# Altium PCB bms_mainboard-1_1.PcbDoc (part 3 of 7) (continued)
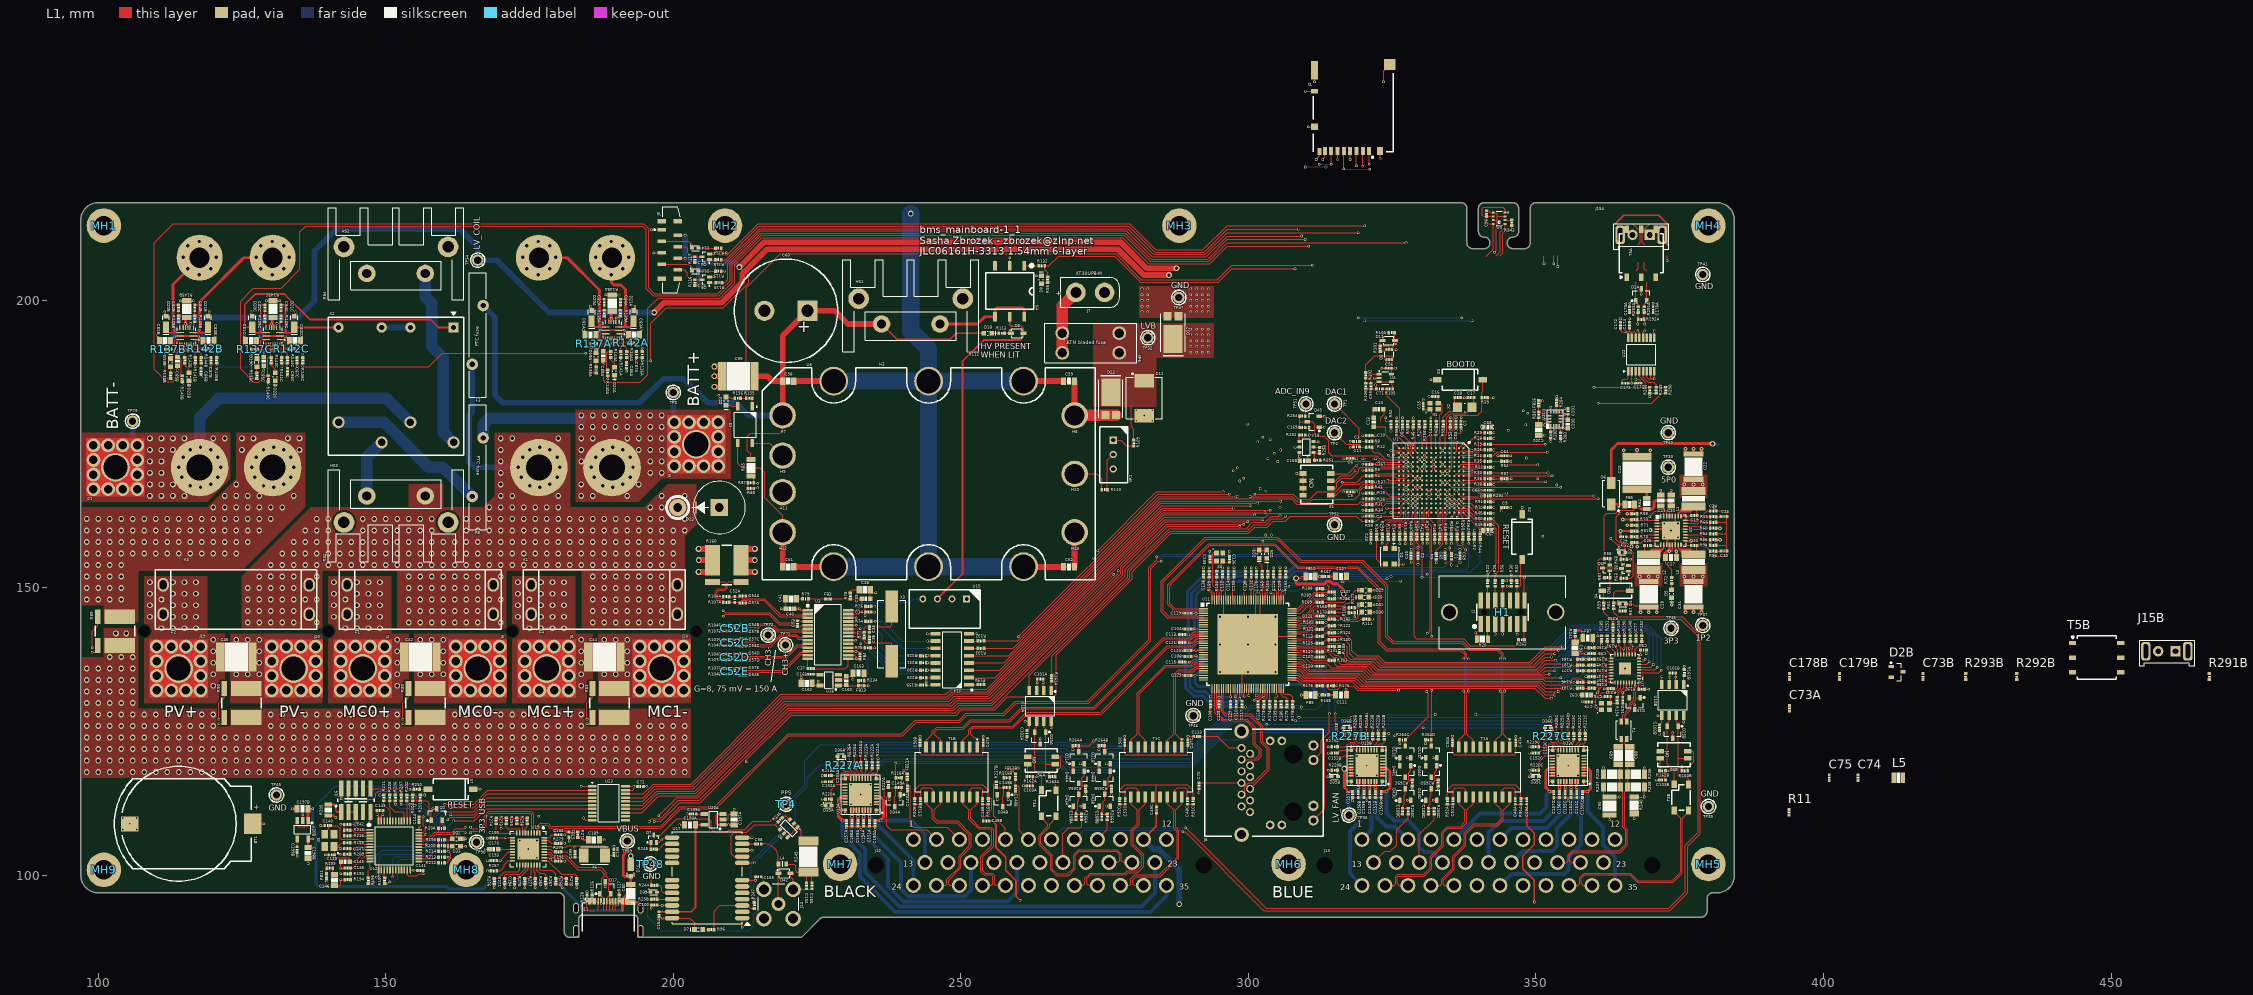
[diagram p0: L1 view]
## Part data (continued)
R112: library part RES_1K00_OHM_100W_1%_TO247, "RES 1K OHM TK FILM 5% 100W TO247", Manufacturer=Ohmite, Power (Watts)=100W, Resistance (Ohms)=1k, Supplier Part Number 1=TEH100M1K00JE-ND, ComponentLink1Description=Datasheet, ComponentLink1URL=http://www.ohmite.com/cat/res_teh100.pdf, Manufacturer Part Number=TEH100M1K00JE, Supplier 1=Digikey, Supplier 2=LCSC, Supplier Part Number 2=C2642397
R145A R145B R145C: Manufacturer="UNI-ROYAL(Uniroyal Elec)", Package=1206, Power Rating (mW)=500, Temperature Coefficient=Â±100ppm/â„ƒ, Tolerance=1%, ComponentLink1Description=Datasheet, ComponentLink1URL=https://wmsc.lcsc.com/wmsc/upload/file/pdf/v2/lcsc/2304140030_UNI-ROYAL-Uniroyal-Elec-HP06W2F130KT5E_C414957.pdf, Manufacturer Part Number=HP06W2F130KT5E, Supplier 2=LCSC, Supplier Part Number 2=C414957
R202: Manufacturer=YAGEO, Package=0402, Power Rating (mW)=62.5, Temperature Coefficient=Â±100ppm/â„ƒ, Tolerance=1%, ComponentLink1Description=Datasheet, ComponentLink1URL=https://wmsc.lcsc.com/wmsc/upload/file/pdf/v2/lcsc/2304140030_YAGEO-RC0402FR-07100RL_C106232.pdf, Manufacturer Part Number=RC0402FR-07100RL, Supplier 2=LCSC, Supplier Part Number 2=C106232
R235 R236 R240: Manufacturer="UNI-ROYAL(Uniroyal Elec)", Package=1206, Power Rating (mW)=250, Temperature Coefficient=Â±100ppm/â„ƒ, Tolerance=1%, ComponentLink1Description=Datasheet, Supplier 2=LCSC
  R235 R236: ComponentLink1URL=https://wmsc.lcsc.com/wmsc/upload/file/pdf/v2/lcsc/2206010145_UNI-ROYAL-Uniroyal-Elec-1206W4F1002T5E_C17902.pdf, Manufacturer Part Number=1206W4F1002T5E, Supplier Part Number 2=C17902
  R240: ComponentLink1URL=https://wmsc.lcsc.com/wmsc/upload/file/pdf/v2/lcsc/2206010145_UNI-ROYAL-Uniroyal-Elec-1206W4F1003T5E_C17900.pdf, Manufacturer Part Number=1206W4F1003T5E, Supplier Part Number 2=C17900
R237 R238: Manufacturer=FOJAN, Package=1206, Power Rating (mW)=250, Temperature Coefficient=Â±100ppm/â„ƒ, Tolerance=1%, ComponentLink1Description=Datasheet, ComponentLink1URL=https://datasheet.lcsc.com/lcsc/2308241947_FOJAN-FRC1206F49R9TS_C2907389.pdf, Manufacturer Part Number=FRC1206F49R9TS, Supplier 2=LCSC, Supplier Part Number 2=C2907389
R245: Manufacturer=RALEC, Package=2512, Power Rating (mW)=1000, Temperature Coefficient=Â±100ppm/â„ƒ, Tolerance=1%, ComponentLink1Description=Datasheet, ComponentLink1URL=https://wmsc.lcsc.com/wmsc/upload/file/pdf/v2/lcsc/2304140030_RALEC-RTT2510R0FTE_C105071.pdf, Manufacturer Part Number=RTT2510R0FTE, Supplier 2=LCSC, Supplier Part Number 2=C105071
S1: library part SWITCH_CHS-04TA, "DIP Switch, Slide, SPST, Flush, Recessed, 6VDC, 100mA, CHS Series", Manufacturer="Nidec Copal", Supplier Part Number 1=563-1007-1-ND, ComponentLink1Description=Datasheet, ComponentLink1URL=https://www.nidec-components.com/e/catalog/switch/chs.pdf, Manufacturer Part Number=CHS-04TA, Supplier 1=Digikey, Supplier 2=LCSC, Supplier Part Number 2=C2921610
S2 S3 S7: library part SWITCH_TS-1092S-B3D2-G, "SWITCH TACTILE SPST-NO", Manufacturer=Yuandi, Supplier Part Number 1=C520860, ComponentLink1Description=Datasheet, ComponentLink1URL=https://www.lcsc.com/datasheet/lcsc_datasheet_2005071437_Yuandi-TS-1092S-B3D2-G_C520860.pdf, Manufacturer Part Number=TS-1092S-B3D2-G, Supplier 1=LCSC
S4: library part SWITCH_CHS-01TA, "DIP Switch, Slide, SPST, Flush, Recessed, 6VDC, 100mA, CHS Series", Manufacturer="Nidec Copal", Supplier Part Number 1=563-1003-1-ND, ComponentLink1Description=Datasheet, ComponentLink1URL=https://www.nidec-components.com/e/catalog/switch/chs.pdf, Manufacturer Part Number=CHS-01TA, Supplier 1=Digikey, Supplier 2=LCSC, Supplier Part Number 2=C2921603
S6A S6B: library part SWITCH_CHS-02TA, "DIP Switch, Slide, SPST, Flush, Recessed, 6VDC, 100mA, CHS Series", Manufacturer="Nidec Copal", Supplier Part Number 1=563-1005-1-ND, ComponentLink1Description=Datasheet, ComponentLink1URL=https://www.nidec-components.com/e/catalog/switch/chs.pdf, Manufacturer Part Number=CHS-02TA, Supplier 1=Digikey, Supplier 2=LCSC, Supplier Part Number 2=C2921606
T1A T1B T1C: library part ETH_H1102NL, "MODULE XFRMR SGL ETHR LAN 16SOIC", Manufacturer="Pulse Electronics Corporation", Supplier Part Number 1=553-1323-ND, ComponentLink1Description=Datasheet, ComponentLink1URL=https://productfinder.pulseelectronics.com/api/open/part-attachments/datasheet/H1102NL, Manufacturer Part Number=H1102NL, Supplier 1=Digikey, Supplier 2=LCSC, Supplier Part Number 2=C18584
T3A T3B: "CHOKE COMMON MODE 5000 OHM SMD", Manufacturer="TDK Corporation", Manufacturer Part Number=ACT45B-101-2P-TL003, Supplier Part Number 1=445-3959-1-ND, ComponentLink1Description=Datasheet, ComponentLink1URL=http://www.tdk.co.jp/tefe02/e9711_act.pdf, Size / Dimension="0.177\" L x 0.126\" W (4.50mm x 3.20mm)", Supplier 1=Digikey, Supplier 2=LCSC, Supplier Part Number 2=C88056
T4: library part CHOKE_ACT1210D-131-2P-TL00, "130 µH @ 100 kHz 2 Line Common Mode Choke Surface Mount 6.7 kOhms @ 10 MHz 115mA DCR 3.5Ohm", Manufacturer="TDK Corporation", Supplier Part Number 1=445-ACT1210D-131-2P-TL00CT-ND, ComponentLink1Description=Datasheet, ComponentLink1URL=https://product.tdk.com/system/files/dam/doc/product/emc/emc/cmf_cmc/catalog/cmf_automotive_signal_act1210d_en.pdf, Manufacturer Part Number=ACT1210D-131-2P-TL00, Supplier 1=Digikey, Supplier 2=LCSC, Supplier Part Number 2=C5547342
T5A T5B: library part XFRMR_BOURNS_BMS_SM91502ALA-E, "200µH LAN Pulse Transformer 1CT:1CT Surface Mount", Manufacturer="Bourns Inc.", Supplier Part Number 1=118-SM91502ALA-ECT-ND, ComponentLink1Description=Datasheet, ComponentLink1URL=https://www.bourns.com/docs/product-datasheets/sm91502ala.pdf, Manufacturer Part Number=SM91502ALA-E, Supplier 1=Digikey, Supplier 2=LCSC, Supplier Part Number 2=C5337144
TP1 TP2 TP3 TP4 TP32 TP33 TP34 TP35 TP36 TP37 TP39 TP41 TP43 TP45 TP46 TP47 TP48 TP51 TP52 TP71 TP72 TP79 TP89 TP90: Manufacturer=ronghe, ComponentLink1Description=Datasheet, ComponentLink1URL=https://datasheet.lcsc.com/lcsc/2307040929_ronghe-RH-5000_C5277086.pdf, Supplier 2=LCSC
  TP1 TP2 TP4: Manufacturer Part Number=RH-5002, Supplier Part Number 2=C5199802
  TP3 TP32 TP33 TP34 TP35 TP36 TP37 TP51 TP71 TP89 TP90: Manufacturer Part Number=RH-5000, Supplier Part Number 2=C5277086
  TP39 TP41 TP43 TP45 TP46 TP47 TP48 TP52 TP72 TP79: Manufacturer Part Number=RH-5001, Supplier Part Number 2=C5199801
U1: library part MCU_STM32H5F5LJH7Q, "ARM® Cortex®-M33F STM32H5 Microcontroller IC 32-Bit 250MHz 4MB (4M x 8) FLASH 225-TFBGA (13x13)", Manufacturer=STMicroelectronics, Supplier Part Number 1=497-STM32H5F5LJH7Q-ND, ComponentLink1Description=Datasheet, ComponentLink1URL=https://www.st.com/resource/en/datasheet/stm32h5f5lj.pdf, ComponentLink2Description="Reference Manual", ComponentLink2URL=https://www.st.com/resource/en/reference_manual/rm0517-stm32h5e45f4-and-stm32h5e55f5-armbased-32bit-mcus-stmicroelectronics.pdf, Manufacturer Part Number=STM32H5F5LJH7Q, Supplier 1=Digikey
U2: library part BUCK_TPS65263QRHBRQ1, "Switching Regulator, Current-mode, 3A, 2300kHz Switching Freq-Max, PQCC32", Manufacturer="Texas Instruments", Supplier Part Number 1=296-40886-1-ND, ComponentLink4Description=Datasheet, ComponentLink4URL=https://www.ti.com/lit/ds/symlink/tps65263-q1.pdf, Manufacturer Part Number=TPS65263QRHBRQ1, Supplier 1=Digikey, Supplier 2=LCSC, Supplier Part Number 2=C2073290
U3: library part ADC_MCP3913BA1-E/SS, "6 Channel AFE 16, 24 Bit 28-SSOP", Manufacturer=Microchip, Supplier Part Number 1=150-MCP3913BA1-E/SS-ND, ComponentLink2Description=Datasheet, ComponentLink2URL=https://ww1.microchip.com/downloads/aemDocuments/documents/MSLD/ProductDocuments/DataSheets/MCP3913B-Data-Sheet-DS20007009.pdf, Manufacturer Part Number=MCP3913BA1-E/SS, Supplier 1=Digikey
U4: library part OPAMP_TLV379IDCKR, "Low-Voltage, 4-μA, Rail-to-Rail I/O Operational Amplifier for Cost-Sensitive Systems 5-SC70 -40 to 125", Manufacturer="Texas Instruments", Supplier Part Number 1=296-47844-1-ND, ComponentLink1Description=Datasheet, ComponentLink1URL=https://www.ti.com/lit/ds/symlink/tlv379.pdf, Manufacturer Part Number=TLV379IDCKR, Supplier 1=Digikey, Supplier 2=LCSC, Supplier Part Number 2=C2860386
U6: "This is a template for the placement of socket pins and heatsink for a Vicor micro brick"
U7: library part ETH_PHY_LAN8670C2T-E/LMX, "10BASE-T1S PHY WITH MII/RMII \"1/1 Transceiver Full, Half Ethernet 32-VQFN (5x5)\"", Manufacturer=Microchip, Supplier Part Number 1=150-LAN8670C2T-E/LMXCT-ND, ComponentLink1Description=Datasheet, ComponentLink1URL=https://ww1.microchip.com/downloads/aemDocuments/documents/AIS/ProductDocuments/DataSheets/LAN8670-1-2-Data-Sheet-60001573.pdf, Manufacturer Part Number=LAN8670C2T-E/LMX, Supplier 1=DigiKey, Supplier 2=LCSC, Supplier Part Number 2=C20901523
U8A U8B U8C: library part CURRENT_BRIDGE_MP6519GQ-Z, "2.5V - 28V, 5A, H-bridge Current Regulator", Manufacturer="Monolithic Power Systems", Supplier Part Number 1=1589-2044-1-ND, ComponentLink1Description=Datasheet, ComponentLink1URL=https://mm.digikey.com/Volume0/opasdata/d220001/medias/docus/696/MP6519_r1.01.pdf, Manufacturer Part Number=MP6519GQ-Z, Supplier 1=Digikey, Supplier 2=JLCPCB, Supplier Part Number 2=C2762181
U9: library part DHT_SENSOR_BME280, "Pressure, Temperature and Humidity Sensor Digital Output 1.8V 8-Pin LGA T/R", Manufacturer="Bosch Tools", Supplier Part Number 1=828-1063-1-ND, ComponentLink1Description=Datasheet, ComponentLink1URL=https://www.bosch-sensortec.com/media/boschsensortec/downloads/datasheets/bst-bme280-ds002.pdf, Manufacturer Part Number=BME280, Supplier 1=Digikey, Supplier 2=LCSC, Supplier Part Number 2=C92489
U10A U10B: library part CAN_TCAN1462VDRQ1, "Automotive signal improvement CAN FD transceiver with VIO and standby 8-SOIC -40 to 125", Manufacturer="Texas Instruments", Supplier Part Number 1=296-TCAN1462VDRQ1CT-ND, ComponentLink1Description=Datasheet, ComponentLink1URL=https://www.ti.com/lit/ds/symlink/tcan1462-q1.pdf, Manufacturer Part Number=TCAN1462VDRQ1, Supplier 1=Digikey, Supplier 2=LCSC, Supplier Part Number 2=C7399456
U11: library part ETH_SWITCH_7PORT_KSZ8567RTXV-VAO, "Automotive Ethernet Switch 7 Port 10Mbps/100Mbps 128-Pin TQFP EP Tray", Manufacturer=Microchip, ComponentLink1Description=Datasheet, ComponentLink1URL=https://ww1.microchip.com/downloads/aemDocuments/documents/UNG/ProductDocuments/DataSheets/KSZ8567R-Data-Sheet-DS00002328.pdf, Manufacturer Part Number=KSZ8567RTXV-VAO, Supplier 1=microchipDIRECT, Supplier Part Number 1=KSZ8567RTXV-VAO
U12: library part MCU_STM32F103CBT6, "ARM Cortex-M3 STM32 F1 Microcontroller 32-Bit 72MHz 128kB FLASH LQFP48 STM32F103CBT6", Manufacturer=STMicroelectronics, Supplier Part Number 1=497-6288-ND, ComponentLink1Description=Datasheet, ComponentLink1URL=https://www.st.com/resource/en/datasheet/stm32f103cb.pdf, ComponentLink2Description="Reference Manual", ComponentLink2URL=https://www.st.com/resource/en/reference_manual/rm0008-stm32f101xx-stm32f102xx-stm32f103xx-stm32f105xx-and-stm32f107xx-advanced-armbased-32bit-mcus-stmicroelectronics.pdf, Manufacturer Part Number=STM32F103CBT6, Supplier 1=Digikey, Supplier 2=LCSC, Supplier Part Number 2=C8304
U13A U13B U13C: library part LOADSWITCH_VN9E30FTR, "Power Switch/Driver 1:6 N-Channel 35A 32-QFN (6x6)", Manufacturer=STMicroelectronics, Supplier Part Number 1=497-VN9E30FTRCT-ND, ComponentLink1Description=Datasheet, ComponentLink1URL=https://www.st.com/resource/en/datasheet/vn9e30f.pdf, Manufacturer Part Number=VN9E30FTR, Supplier 1=Digikey, Supplier 2=Mouser, Supplier Part Number 2=511-VN9E30FTR
U14: library part ISO_SI8662BB-B-IS1, "6-ch 2.5kV Isolator, 150M, 4/2, NB SOIC16, lead free", Manufacturer="Skyworks Solutions", Supplier Part Number 1=SI8662BB-B-IS1-ND, ComponentLink1Description=Datasheet, ComponentLink1URL=https://www.skyworksinc.com/-/media/Skyworks/SL/documents/public/data-sheets/Si866x.pdf, Manufacturer Part Number=SI8662BB-B-IS1, Supplier 1=Digikey, Supplier 2=LCSC, Supplier Part Number 2=C430287
U15: library part CONV_DCDC_5V_0.5W_ROL-0505S, "5V to 5V isolated power supply module", Manufacturer=Recom, Supplier Part Number 1=945-1949-5-ND, ComponentLink1Description=Datasheet, ComponentLink1URL=https://recom-power.com/pdf/Econoline/ROL.pdf, Manufacturer Part Number=ROL-0505S, Parameter 1=LCSC, Parameter 2=C22372006, Supplier 1=Digikey
U16 U20A U20B: library part LDO_TPS79933QDDCRQ1, "Fixed Positive LDO Regulator, 3.3V, 0.16V Dropout, BICMOS, PDSO5", Manufacturer="Texas Instruments", Supplier Part Number 1=296-24852-1-ND, ComponentLink1Description=Datasheet, ComponentLink1URL=https://www.ti.com/lit/ds/symlink/tps799-q1.pdf, Manufacturer Part Number=TPS79933QDDCRQ1, RoHS Compliant=Yes, Supplier 1=Digikey, Supplier 2=LCSC, Supplier Part Number 2=C2865613
U17: library part GNSS_QUECTEL_LC29HEAMD, "Rf Txrx Module Navigation SMD", Manufacturer=Quectel, Supplier Part Number 1=2958-LC29HEAMDCT-ND, Category="RF Transceiver Modules and Modems", Manufacturer Part Number=LC29HEAMD, Pricing="1=41.12, 10=35.985, 25=34.2064, 100=31.769 (USD)", Stock=95, Supplier 1=Digikey, Supplier 2=LCSC, Supplier Part Number 2=C28453488
U18: library part REF_2.5V_MCP1502T-25E/CHY, "IC 7 PPM 0.1% VOLTAGE REFERENCE Series Voltage Reference IC Fixed 2.5V V ±0.1% 20 mA SOT-23-6", Manufacturer=Microchip, Supplier Part Number 1=150-MCP1502T-25E/CHYCT-ND, ComponentLink1Description=Datasheet, ComponentLink1URL=https://ww1.microchip.com/downloads/aemDocuments/documents/MSLD/ProductDocuments/DataSheets/MCP1502-Data-Sheet-20006593B.pdf, Manufacturer Part Number=MCP1502T-25E/CHY, Supplier 1=Digikey, Supplier 2=LCSC, Supplier Part Number 2=C3680051
U19: library part USB_HUB_4PORT_USB2534I-1080AEN, "USB Bus Controller, CMOS", Manufacturer=Microchip, Supplier Part Number 1=USB2534I-1080AEN-ND, ComponentLink1Description=Datasheet, ComponentLink1URL=https://ww1.microchip.com/downloads/aemDocuments/documents/UNG/ProductDocuments/DataSheets/USB2534-Data-Sheet-DS00001713.pdf, ComponentLink2Description="Product page", ComponentLink2URL=https://www.microchip.com/en-us/product/USB2534, Manufacturer Part Number=USB2534I-1080AEN, Supplier 1=Digikey, Supplier 2=LCSC, Supplier Part Number 2=C626674
U21: library part IMU_ISM330DLC, "ST ACCELEROMETER/GYROSCOPE 3D 14LGA LOW POWER", Manufacturer="ST Microelectronics", Supplier Part Number 1=497-17583-6-ND, ComponentLink1Description=Datasheet, ComponentLink1URL=https://www.st.com/resource/en/datasheet/ism330dlc.pdf, Manufacturer Part Number=ISM330DLC, Supplier 1=Digi-Key, Supplier 2=LCSC, Supplier Part Number 2=C2943126
U22: library part ISO_BQ79600PWRQ1, "Automotive SPI/UART communication interface functional-safety compliant with automatic host wakeup", Manufacturer="Texas Instruments", Supplier Part Number 1=296-BQ79600PWRQ1CT-ND, ComponentLink1Description=Datasheet, ComponentLink1URL=https://www.ti.com/lit/ds/symlink/bq79600-q1.pdf, Manufacturer Part Number=BQ79600PWRQ1, Supplier 1=Digikey, Supplier 2=LCSC, Supplier Part Number 2=C2869947
U23: library part BUS_SWITCH_SN74CB3Q3345PWR, Manufacturer="Texas Instruments", Supplier Part Number 1=296-19141-1-ND, ComponentLink1Description=Datasheet, ComponentLink1URL=https://www.ti.com/lit/ds/symlink/sn74cb3q3345.pdf, Manufacturer Part Number=SN74CB3Q3345PWR, Supplier 1=Digikey, Supplier 2=LCSC, Supplier Part Number 2=C2674539
VR1: library part POT_1K_OHM_67WR1KLF, "Trimmer, Cermet, 0.5W, 20000ohm, 200V, 10% +/-Tol, 100ppm/Cel, 20 Turn(s)", Manufacturer="TT BI", Supplier Part Number 1=987-1089-ND, ComponentLink1Description=Datasheet, ComponentLink1URL=https://www.ttelectronics.com/TTElectronics/media/ProductFiles/Datasheet/67.pdf, Manufacturer Part Number=67WR1KLF, Supplier 1=Digikey, Supplier 2=LCSC, Supplier Part Number 2=C6461702
X1 X7: "CRYSTAL 25.000MHZ 6PF SMD", Manufacturer=Murata, Manufacturer Part Number=XRCGB25M000F3A00R0, Supplier Part Number 1=490-12146-2-ND, ComponentLink1Description=Datasheet, ComponentLink1URL=https://www.murata.com/products/productdata/8801076543518/SPEC-XRCGB25M000F3A00R0.pdf, Supplier 1=Digikey, Supplier 2=LCSC, Supplier Part Number 2=C467842
X2: "CRYSTAL 32.768 KHZ 12.5 PF SMD", Manufacturer="TXC CORPORATION", Manufacturer Part Number=9HT10-32.768KEZF-T, Supplier Part Number 1=887-1507-1-ND, ComponentLink1Description=Datasheet, ComponentLink1URL=http://www.txccrystal.com/images/pdf/9ht10.pdf, Supplier 1=Digikey, Supplier 2=LCSC, Supplier Part Number 2=C5932452
X3: library part XTAL_ABLS2-4.000MHZ-D4Y-T, "CRYSTAL 4.000 MHZ 18PF SMD", Frequency="4 MHz", Load Capacitance="18 pF", Manufacturer="Abracon LLC", Supplier Part Number 1=535-9857-1-ND, ComponentLink1Description=Datasheet, ComponentLink1URL=http://www.abracon.com/Resonators/ABLS2.pdf, Manufacturer Part Number=ABLS2-4.000MHZ-D4Y-T, Supplier 1=Digikey, Supplier 2=LCSC, Supplier Part Number 2=C5933228
X4: library part XTAL_XRCGB25M000F3A00R0, "CRYSTAL 25.000MHZ 6PF SMD", Manufacturer=Murata, Supplier Part Number 1=490-12146-2-ND, ComponentLink1Description=Datasheet, ComponentLink1URL=https://www.murata.com/products/productdata/8801076543518/SPEC-XRCGB25M000F3A00R0.pdf, Manufacturer Part Number=XRCGB25M000F3A00R0, Supplier 1=Digikey, Supplier 2=LCSC, Supplier Part Number 2=C467842
X5: library part XTAL_8MHZ_ECS-80-8-33Q-JES-TR, "8 MHz ±20ppm Crystal 8pF 500 Ohms 4-SMD, No Lead", Capacitance="8 pF", Frequency="8 MHz", Manufacturer="ECS Inc.", Supplier Part Number 1=50-ECS-80-8-33Q-JES-TRCT-ND, ComponentLink1Description=Datasheet, ComponentLink1URL=https://www.murata.com/products/productdata/8801076543518/SPEC-XRCGB25M000F3A00R0.pdf, Manufacturer Part Number=ECS-80-8-33Q-JES-TR, Supplier 1=Digikey, Supplier 2=LCSC, Supplier Part Number 2=C5727442
X6: library part XTAL_24MHZ_TAXM24M2QLFCDT1T, "CRYSTAL 24.000 MHZ 20PF SMD", Frequency=24MHz, Load Capacitance=20pF, Manufacturer=Yajingxin, Supplier Part Number 1=C122520, ComponentLink1Description=Datasheet, ComponentLink1URL=http://www.txccrystal.com/images/pdf/7a.pdf, Manufacturer Part Number=TAXM24M2QLFCDT1T, Supplier 1=LCSC, Supplier 2=LCSC, Supplier Part Number 2=C122520
XF6: library part FUSEHOLDER_KEYSTONE_3568, "Fuse Holder 30 A 500V 1 Circuit Blade Through Hole", Manufacturer="Keystone Electronics", Supplier Part Number 1=36-3568-ND, ComponentLink1Description=Datasheet, ComponentLink1URL=https://www.keyelco.com/userAssets/file/M65p42.pdf, Manufacturer Part Number=3568, Supplier 1=Digikey, Supplier 2=LCSC, Supplier Part Number 2=C3206956

## Free pads (board coordinates)
  round 0 hole 2 mask+0.102: 4(140,142.5) 5(172,142.5) 5(204,142.5) 7(108,142.5)

## Via types
v1: diameter 0.45, hole 0.3, L1 to L6, 984 vias
v2: diameter 1, hole 0.6, L1 to L6, 825 vias
v3: diameter 1, hole 0.6, L1 to L6, tented top, 57 vias
v4: diameter 0.65, hole 0.3, L1 to L6, 41 vias
v5: diameter 0.5, hole 0.35, L1 to L6, 28 vias
v6: diameter 0.45, hole 0.3, L1 to L6, tented both sides, 24 vias

## Nets (pads, with @x,y where several pads share a name; then routed paths per layer and width w, separated by ;. In a path a pad name is that pad's centre, name@x,y a point inside that pad or via, vN(x,y) a via of type N, cw(c..) or ccw(c..) an arc to the next point about the centre after c; other vN are vias at no path point)
1P1_MCU: C1.1 C2.1 C12.1 C74.1 L5.2 U1.E6 U1.H12 U1.L10
1P2: C31.1 C113.1 C115.1 C117.1 C118.1 C120.1 C122.1 C124.1 C126.1 FB10.1 L3.2 R86.2 TP37.1 U11.11 U11.23 U11.45 U11.56 U11.74 U11.87 U11.104 U11.110 | length 139.8
  L1 w0.2: C115.1@289,137.1 v1(289.7,137.1) 290,137.1 290.5,137.6 U11.23@292.2,137.6 ; C113.1@289,141.9 v1(289.6,141.9) ; v1(289.6,141.9) v1(289.6,141.9) ; U11.11@292.2,142.4 290.5,142.4 290,141.9 v1(289.6,141.9) ; U11.45@298.5,132.5 v1(298.5,130.8) 298.9,130.4 C117.1@298.9,130.3 ; U11.110@300.9,147.9 300.9,150.6 v1(301.4,151.1) C126.1@301.4,151.9 ; C118.1@301.7,130.3 302.4,131 v1(302.7,131) 302.9,131.2 U11.56@302.9,132.5 ; U11.104@303.3,147.9 303.3,150 v1(304.4,151.1) C124.1@304.4,151.9 ; U11.74@307.6,137.6 309.4,137.6 310.6,136.4 v1(311.3,136.4) C120.1@311.9,136.4 ; U11.87@307.6,142.8 308.8,142.8 309.1,143.1 v1(309.7,143.1) 310.2,143.1 311,143.9 311,144.6 311.5,145.1 C122.1@311.9,145.1 ; v2(308.3,151.7) 309,151.7 309.3,152 FB10.1@309.95,152 ; R86.2@381.3,158.4 v4(382,158.4)
  L1 w0.5: v2(308.3,151.7) 308.3,150.9 308.5,150.7 313.2,150.7 313.6,151.1 314.3,151.1 314.7,150.7 315.5,150.7 316.6,149.6 v2(316.6,148.9)
  L3 w0.5: v2(308.3,151.7) 308.3,150.8 308.5,150.6 308.5,144.3 v1(309.7,143.1) 309.7,138 v1(311.3,136.4)
  L6 w0.2: v4(379,152) 379,156.6 380.8,158.4 v4(382,158.4)
  L6 w0.5: v1@289.4,141.9 288.9,141.9 288.2,141.2 288.2,139.9 287.8,139.5 287.8,137.8 289.1,136.5 ; v1(289.6,141.9) 289.6,144.5 289.4,144.7 289.4,149.4 292.8,152.8 300.4,152.8 301.4,151.8 v1(301.4,151.1) v1(304.4,151.1) 305.1,151.8 306,151.8 307.8,153.6 312.1,153.6 313,152.7 313,151.7 312.7,151.4 311.5,151.4 311.2,151.7 v2(308.3,151.7) ; v1(289.7,137.1) 289.1,136.5 ; v1(302.7,131) 302.7,131.9 302.3,132.3 298.9,132.3 298.5,131.9 v1(298.5,130.8) 298.5,130.5 297.5,129.5 293.8,129.5 292.1,131.2 290.5,131.2 289.1,132.6 289.1,136.5
  other v4: 375.8,152 377.4,152
3P3: C4.1 C5.1 C6.1 C8.1 C9.1 C10.1 C13.1 C28.1 C43.1 C45.1 C56.1 C63.1 C64.1 C65.1 C66.1 C69.1 C72.1 C75.1 C94.1 C95.1 C96.1 C102A.1 C102B.1 C105.1 C107.1 C109.1 C158.1 C168.1 C171.1 D1.2 D26.2 D27.2 D28.2 D29.2 D30.2 D31.2 D34A.2 D34B.2 D43A.2 D43B.2 D43C.2 D43D.2 D45.2 FB7.2 FB9.1 FB16.1 J2.4 J8.18 J8.20 L2.2 Q8.2 R20.2 R30.1 R52.2 R54.2 R71.2 R97.2 R108.1 R111.1 R114.1 R115.1 R122.1 R124.1 R130.1 R133.1 R136A.1 R136B.1 R136C.1 R146.1 R147.1 R148.1 R176.1 R180.1 R188.1 R219A.1 R219B.1 R219C.1 R252.1 R264A.2 R264B.2 R264C.2 R264D.2 R265A.2 R265B.2 R265C.2 R265D.2 R288.2 R289.2 S3.2 TP35.1 U1.D7 U1.F7 U1.F9 U1.F11 U1.G6 U1.G7 U1.G9 U1.G10 U1.J6 U1.J7 U1.J9 U1.J10 U1.K7 U1.K9 U1.R13 U2.5 U4.5 U7.8 U7.18 U9.2 U9.6 U9.8 U10A.5 U10B.5 U11.61 U11.77 U11.99 U14.1 U18.6 U22.3 U23.19 U23.20 | length 249
  L1 w0.15: v1(120.6,188.5) R136B.1@120.6,189.1 ; R136C.1@135.6,189.1 v1(135.6,188.5) 157.5,188.5 159.8,190.8 v1(184.8,190.8) ; v1(194.6,189.5) R136A.1@194.6,190.1 ; v1(196.1,189.5) 196.1,196 198.8,198.7 208.7,198.7 213.1,203.1 v1(213.1,204.4) ; D1.2@325.35,154.15 326.939,154.15 v1(326.944,154.155) ; v1(339.5,142.2) 339.75,141.95 R20.2@339.75,141.1 ; v1(345,150.3) R30.1@345.7,150.3 ; R97.2@345,169 v1(345.7,169) ; R54.2@345,172 v1(345.6,172)
  L1 w0.2: U23.19@191.7,114.85 192.95,114.85 193.1,115 v1(193.1,115.5) ; U23.20@191.7,115.5 v1(193.1,115.5) ; C72.1@193.8,115.5 v1(193.1,115.5) ; R115.1@208.35,205.1 v1(208.95,205.1) ; R114.1@208.35,209.1 208.35,208.55 208.6,208.3 v1(209.2,208.3) ; v1(225.9,117.4) R219A.1@226.5,117.4 ; v1(237.543,113.213) 237.55,113.22 D34A.2@237.55,114.025 ; U14.1@251.421,133.155 252.955,133.155 C158.1@253,133.2 v1(253,133.8) ; v1(256.343,113.213) 256.35,113.22 D34B.2@256.35,114.025 ; v1(261.2,126.8) U10A.5@261.895,126.8 261.895,125.595 C102A.1@261.5,125.2 ; v1(269.5,121.9) R264A.2@269.5,122.6 ; v1(270.841,112.072) 270.844,112.075 D43A.2@271.45,112.075 ; v1(271.7,114) R265A.2@271.7,114.6 ; v1(274,121.9) R264B.2@274,122.6 ; v1(275.341,112.072) 275.344,112.075 D43B.2@275.95,112.075 ; v1(276.2,114) R265B.2@276.2,114.6 ; v1(301,156.6) D27.2@301.9,156.6 D26.2@303.2,156.6 ; U11.61@304.9,132.5 v1(304.9,131.2) 304.7,131 C105.1@304.7,130.3 R180.1@305.7,130.3 ; U11.99@305.3,147.9 v1(305.3,151.1) 305.5,151.3 C109.1@305.5,151.9 ; U11.77@307.6,138.8 310.5,138.8 v1(311.3,138) C107.1@311.9,138 ; v1(308.875,172.9) 308.875,172.175 C168.1@308.95,172.1 ; v1@308.875,172.912 U18.6@308.875,173.55 ; R252.1@309.9,176.6 v1(310.6,176.6) ; D45.2@312.325,179.85 313.197,179.85 v1(313.202,179.855) ; R188.1@312.9,149.9 v1(313.4,149.9) ; v1(313.9,122.4) R219B.1@314.5,122.4 ; R176.1@314.8,133 v1(315.4,133) ; R130.1@315,141 v1(315.6,141) ; R124.1@315,142.2 v1(315.6,142.2) ; R122.1@315,143.4 v1(315.6,143.4) ; R133.1@315.8,139.8 v1(316.5,139.8) ; v1(317.7,224.5) J2.4@317.7,226 ; C5.1@318.2,166.7 v1(318.8,166.7) ; C6.1@318.2,172.5 v1(318.8,172.5) ; v1(318.5,145) R108.1@318.5,145.7 ; R111.1@321,144.6 v1(321.6,144.6) ; D30.2@321.1,145.8 v1(321.9,145.8) ; D31.2@321.1,147.1 v1(321.9,147.1) ; D28.2@321.1,148.4 v1(321.9,148.4) ; D29.2@321.1,149.6 v1(321.9,149.6) ; C43.1@321.3,159.4 v1(321.3,160) ; C4.1@321.5,162.5 v1(322.1,162.5) ; C10.1@321.5,176.5 v1(322.1,176.5) ; 323,179 323,179.6 323.65,180.25 C13.1@323.65,181.1 ; v1(323.9,179.6) 323.9,178.95 324.75,178.95 R52.2@324.8,179 ; Q8.2@324.499,189.75 324.499,189.101 324.9,188.7 C56.1@324.9,188.2 ; U4.5@324.9,187.15 C56.1@324.9,188.2 ; v1(325.6,188.2) C56.1@324.9,188.2 ; v1(326.3,122.9) R264C.2@326.3,123.6 ; v1(326.8,177.4) C8.1@326.8,178 ; v1(327.641,113.072) 327.644,113.075 D43C.2@328.25,113.075 ; C45.1@328.3,156.1 v1(328.3,156.7) ; v1(328.5,115) R265C.2@328.5,115.6 ; 329.4,167.1 v1(329,167.5) 329.4,167.9 ; 329.4,168.7 v1(329,169.1) 329.4,169.5 ; 330.2,171.1 v1(330.6,171.5) 331,171.1 ; v1(330.8,122.9) R264D.2@330.8,123.6 ; 331,166.3 v1(331.4,165.9) 331.8,166.3 ; v1(331.7,186.2) S3.2@332.85,186.2 ; v1(332.141,113.072) 332.144,113.075 D43D.2@332.75,113.075 ; 332.6,166.3 v1(333,165.9) U1.F11@333.4,166.3 ; v1(333,115) R265D.2@333,115.6 ; 333.4,171.1 v1(333.8,171.5) ; 333.4,171.9 v1(333.8,171.5) ; C65.1@334.2,156.1 v1(334.2,156.7) ; 334.2,167.1 v1(334.6,166.7) ; 334.2,171.1 v1(333.8,171.5) ; v1(336.1,177.4) C63.1@336.1,178 ; C69.1@336.8,156.1 v1(336.8,156.7) ; v1(340.5,167) C66.1@341.1,167 ; v1(341.1,159.4) 341.1,160 ; C96.1@341.4,215.6 341.8,215.6 342.125,215.275 U9.8@342.575,215.275 343.125,215.275 343.3,215.1 343.3,214.65 ; U9.6@342.575,213.975 343.3,213.975 ; v1(342.8,208.4) 343.1,208.7 343.1,212.7 343.3,212.9 343.3,213.975 ; v1(343.4,173) C64.1@344,173 ; v1(344,163.4) C9.1@344,164 ; U9.2@344.625,214.625 343.325,214.625 343.3,214.65 ; v1(348.9,122.4) R219C.1@349.5,122.4 ; FB16.1@350.5,182.55 351.12,182.55 v1(351.123,182.552) ; v1(356.6,133.6) R146.1@357.2,133.6 ; v1(358.7,134.6) R147.1@359.2,134.6 ; v1(359.847,140.275) 359.85,140.278 FB7.2@359.85,141.3 ; C95.1@360.2,138.6 v1(361.2,138.6) 362.55,137.25 U7.18@363.1,137.25 ; v4(365.9,160.9) R71.2@366.6,160.9 ; R148.1@366.4,141.7 v1(366.4,142.3) ; U22.3@367.325,187.7 367.325,186.257 v1(367.327,186.255) 367.945,186.255 368.172,186.028 368.172,185.728 C171.1@368.3,185.6 ; U7.8@367.9,137.75 367.9,138.1 v1(368.2,138.4) C94.1@368.2,139.2 ; v1(369.8,183.3) R288.2@369.8,183.9 R289.2@370.9,183.9 ; v4(369.9,160.1) 370.25,159.75 U2.5@371,159.75 ; v1(371.2,127.8) U10B.5@371.895,127.8 371.895,126.595 C102B.1@371.5,126.2 ; 343.3,213.975 343.3,214.65
  L1 w0.3: v1(309.2,131.4) FB9.1@309.95,131.4
  L4 w0.3: v1(193.1,115.5) 193.7,114.9 223.4,114.9 v1(225.9,117.4)
  L6 w0.15: v1(120.6,188.5) 126.4,188.5 127.4,189.5 134.6,189.5 v1(135.6,188.5) ; v1(184.8,190.8) 193.3,190.8 v1(194.6,189.5) v1(196.1,189.5)
  other v4: 368,152 369.6,152 371.2,152
3P3_B: C39.1 C159.1 C162.1 FB3.1 R75.2 R76.2 R78.2 U3.28 U14.16 U16.5 | length 15.3
  L1 w0.203: C162.1@224.15,133.4 224.5,133.05 U16.5@225.49,133.05 225.2,133.05 v1(225.2,133.8) ; FB3.1@227.35,148.1 R78.2@230.8,148.1 C39.1@232.75,148.1 232.75,146.85 v1(232.025,146.125) U3.28@230.4,146.125 ; R75.2@234.3,139.6 v1(235,139.6) ; R76.2@234.4,146.8 v1(235,146.8) ; v1(244,133.7) C159.1@244,133.1 245.524,133.1 U14.16@245.579,133.155
3P3_GNSS_1: C164.1 C198A.1 U17.23 U20A.5 | length 22.6
  L1 w0.3: C164.1@197.5,93.7 U17.23@199.8,93.7 203.1,93.7 203.85,94.45 C198A.1@203.85,108.8 U20A.5@205.39,108.8
3P3_USB: C141.1 C142.1 C143.1 C144.1 C193.1 C194.1 C198B.1 D33.2 FB11.2 FB15.1 Q2.3 R193.2 R205.2 R209.1 R255.1 R256.1 R269.1 R270.1 R271.1 R273.1 R274.1 TP90.1 U12.1 U12.24 U12.36 U12.48 U19.15 U19.23 U20B.5 | length 32.5
  L1 w0.2: v1(139.7,98.8) FB11.2@139.7,99.45 ; v1(142.1,103.7) R209.1@142.8,103.7 ; v1(142.2,100.3) R193.2@142.9,100.3 ; C142.1@143.8,108.9 144.4,108.9 145.349,107.951 v1(146.218,107.951) 146.219,107.95 U12.1@147.25,107.95 ; C143.1@148.5,111.3 v1(148.5,110.6) 148.75,110.35 U12.48@148.75,109.45 ; U12.24@154.25,100.95 154.75,100.95 v1(154.8,100.9) C141.1@155.5,100.9 ; U12.36@155.75,107.95 155.8,108 v1(155.8,108.6) C144.1@155.8,109.2 ; v1(158.228,111.618) 158.235,111.625 Q2.3@158.9,111.625 ; D33.2@163,105.1 v1(163.9,105.1) ; R274.1@169.2,110 170.1,110 ; C193.1@169.3,102.6 v1(169.9,102.6) 171.4,104.1 U19.15@172.025,104.1 ; v1(170.1,108.2) 170.1,110 ; v1(170.7,97.9) R271.1@170.7,98.5 ; C194.1@172.4,99.5 v1(173.2,99.5) 174.8,101.1 U19.23@174.8,101.825 ; R256.1@174.6,110 R255.1@172.8,110 R273.1@171,110 170.1,110 ; v1(177.8,97.9) R269.1@177.8,98.5 ; v1(181.9,106) FB15.1@181.9,106.65 ; v1(183.2,97.9) R270.1@183.2,98.5
  L1 w0.3: C198B.1@136.5,104.85 U20B.5@136.5,106.39 137.29,106.39 v1(137.3,106.4) ; R205.2@140,110.45 140.95,110.45 v1(141.3,110.1)
5P0: C22.1 C27.1 C101A.1 C101B.1 C172.1 C174.1 C197A.1 D16.1 FB12A.1 FB12B.1 L1.2 R60.2 R69.2 R72.2 TP33.1 U2.12 U2.13 U10A.3 U10B.3 U15.2 U20A.1 U20A.3 U22.14 U22.15 U22.16 | length 58.7
  L1 w0.15: v1(240.1,118.2) 240.15,118.2 FB12A.1@240.7,117.65 ; v1(258.9,118.2) 258.95,118.2 FB12B.1@259.5,117.65
  L1 w0.2: v1(209.6,108.805) v1@209.605,108.8 ; U10A.3@263.165,132.2 263.3,132.335 v1(263.3,133.5) C101A.1@263.3,134.2 ; C172.1@364.7,195.2 364.7,194.8 364.927,194.573 v1@365.468,194.573 ; v1(365.5,194.573) v1@365.468,194.573 ; v4(365.9,162.9) R69.2@366.6,162.9 ; U22.16@366.025,193.5 366.025,194.549 366.049,194.573 ; 366.3,194.573 v1@365.468,194.573 ; C174.1@366.3,195.2 366.3,194.574 366.301,194.573 366.687,194.573 ; U22.15@366.675,193.5 366.675,194.561 366.687,194.573 ; U22.14@367.325,193.5 367.325,194.375 367.127,194.573 366.687,194.573 ; C27.1@372.55,155.3 372.55,154.25 373.6,153.2 R72.2@373.6,151.8 ; U10B.3@373.165,133.2 373.3,133.335 v1(373.3,134.5) C101B.1@373.3,135.2 ; R60.2@381.3,160.4 v4(382,160.4)
  L1 w0.3: U20A.3@208.61,110.7 207.7,110.7 207.5,110.5 207.5,109 207.7,108.8 U20A.1@208.61,108.8 209.605,108.8 C197A.1@210.6,108.8 ; U2.12@373.225,157.525 373.225,156.425 v4(373.2,156.4) 373.6,156.4 373.725,156.525 U2.13@373.725,157.525
  L1 w0.5: D16.1@192.6,101.75 v2(192.6,103.4) ; C27.1@372.55,155.3 372.55,156.15 372.8,156.4 v4(373.2,156.4)
  L6 w0.2: v4(365.9,162.9) 373.175,162.9 ; v4(373.2,156.4) 373.2,158.975 372.775,159.4 372.775,160.5 373.175,160.9 373.175,162.9 ; v4@375.775,167.775 375.775,162.9 ; v4@375.775,167.975 v4(375.8,168) ; v4(382,160.4) 378.275,160.4 375.775,162.9 ; 373.175,162.9 375.775,162.9
  other v4: 377.4,168 379,168
5P0_B: FB13.2 U15.4 | length 29.2
  L1 w0.203: FB13.2@233.15,133 v1(233.9,133)
  L6 w0.203: v1(233.9,133) 233.9,137.9 232.1,139.7 231.5,139.7 230.5,140.7 230.5,145.9 232.1,147.5 241.2,147.5 241.8,148.1 U15.4@243.39,148.1
10B-T1S_MDI._N: C88.2 J13.22 R236.1 R238.1 | length 28.3
  L1 w0.1: J13.22@357.75,102.269 356.231,102.269 355.9,102.6 355.9,103.5 356.4,104 364.624,104 365.9,105.276 365.9,108 365.4,108.5 365.4,114.567 365.95,115.117 R238.1@365.95,115.4 R236.1@365.95,117.6 365.95,119 C88.2@366.3,119.35
10B-T1S_MDI._P: C89.2 J13.21 R235.1 R237.1 | length 28.2
  L1 w0.1: J13.21@353.75,102.269 355.268,102.269 355.6,102.6 355.6,103.624 356.276,104.3 364.5,104.3 365.6,105.4 365.6,107.876 365.1,108.376 365.1,114.562 364.65,115.012 R237.1@364.65,115.4 R235.1@364.65,117.6 364.65,119 C89.2@364.3,119.35
AIN0_1: C149A.1 D34A.3 R217A.1 R218A.2 U1.M4 | length 149.8
  L1 w0.15: R218A.2@238.7,117 v1(238.7,119.5) ; v1(325.2,173.1) 325.6,173.5 326.2,173.5
  L1 w0.2: R217A.1@237.4,115.3 C149A.1@238.7,115.3 ; D34A.3@238.5,111.975 238.5,113.8 238.7,114 C149A.1@238.7,115.3 ; R218A.2@238.7,117 C149A.1@238.7,115.3
  L3 w0.15: v1(325.2,173.1) 325.8,172.5 325.8,160.9 325.5,160.6 v1(325.5,124.3)
  L6 w0.15: v1(238.7,119.5) 266.8,119.5 268.3,118 276.1,118 277,118.9 290.2,118.9 294.9,123.6 299.5,123.6 300.8,124.9 315.3,124.9 315.9,124.3 v1(325.5,124.3)
AIN1_1: C149B.1 D34B.3 R217B.1 R218B.2 U1.R2 | length 116.1
  L1 w0.15: R218B.2@257.5,117 257.5,117.8 258.4,118.7 v1(260,118.7) ; v1(260,141.5) 284.4,165.9 v1(298.1,165.9) ; v1(326.6,173.1) 327,172.7
  L1 w0.2: R217B.1@256.2,115.3 C149B.1@257.5,115.3 ; D34B.3@257.3,111.975 257.3,113.8 257.5,114 C149B.1@257.5,115.3 ; R218B.2@257.5,117 C149B.1@257.5,115.3
  L3 w0.15: v1(260,118.7) v1(260,141.5) ; v1(298.1,165.9) v1(298.1,170.9)
  L4 w0.15: v1(298.1,170.9) 319.4,170.9 319.5,171 322.8,171 324.1,172.3 325.8,172.3 v1(326.6,173.1)
ARRAY_IS._1_N: R90.3 R107C.2 | length 104.5
  L1 w0.123: v1(121,127.2) 121,130 121.95,130.95 R90.3@121.95,132.5 ; v1(207.9,140.9) 208.6,140.9 R107C.2@208.7,141
  L3 w0.123: v1(121,127.2) 121.238,126.962 121.6,126.962 122.3,127.662 122.3,129.057 123.166,129.923 203.723,129.923 204.577,130.777 204.577,138.277 206.962,140.662 207.662,140.662 v1(207.9,140.9)
ARRAY_IS._1_P: R90.4 R104C.2 | length 99.5
  L1 w0.123: v1(121,126.4) R90.4@121.7,126.4 ; v1(207.9,140.1) 208.6,140.1 R104C.2@208.7,140
  L3 w0.123: v1(121,126.4) 121.238,126.638 121.734,126.638 122.623,127.528 122.623,128.923 123.3,129.6 203.857,129.6 204.9,130.643 204.9,138.143 207.095,140.338 207.662,140.338 v1(207.9,140.1)
BATT_IS._1_N: R89.4 R107B.2 | length 131.3
  L1 w0.123: v1(99,138.8) 99.7,138.8 99.95,139.05 R89.4@99.95,140 ; v1(207.9,142.6) 208.6,142.6 R107B.2@208.7,142.5
  L3 w0.123: v1(99,138.8) 99.238,139.038 106.262,139.038 107.3,138 107.3,129.943 107.866,129.377 119.434,129.377 120.334,130.277 203.134,130.277 203.9,131.043 203.9,139.638 207.1,142.838 207.662,142.838 v1(207.9,142.6)
BATT_IS._1_P: R89.3 R104B.2 | length 135.1
  L1 w0.123: v1(99,139.6) 99,142.5 99.95,143.45 R89.3@99.95,145 ; v1(207.9,143.4) 208.6,143.4 R104B.2@208.7,143.5
  L3 w0.123: v1(99,139.6) 99.238,139.362 106.395,139.362 107.623,138.134 107.623,130.077 108,129.7 119.3,129.7 120.2,130.6 203,130.6 203.577,131.177 203.577,139.772 206.966,143.162 207.662,143.162 v1(207.9,143.4)
BOOT0_2: R39.1 S3.1 U1.B6 | length 21.4
  L1 w0.15: 334.2,170.3 334.6,170.7 335.3,170.7 335.4,170.8 335.4,177.1 335.6,177.3 335.6,179.8 335.8,180 339.9,180 340.6,180.7 R39.1@340.6,183.1 340.6,184 340.75,184.15 S3.1@340.75,186.2
CAN1_MDI._N: J12.21 T3A.4 | length 30
  L1 w0.1: T3A.4@264.05,110.325 264.05,110.05 265.15,108.95 265.15,108.6 263.6,107.05 263.6,105.376 265.6,103.376 265.6,100.976 266.576,100 268.724,100 269.9,101.176 269.9,103.5 270.6,104.2 277,104.2 277.6,103.6 277.6,102.6 277.293,102.294 J12.21@275.75,102.294
CAN1_MDI._P: J12.22 T3A.3 | length 30
  L1 w0.1: T3A.3@266.55,110.325 266.55,110.05 265.45,108.95 265.45,108.476 263.9,106.926 263.9,105.5 265.9,103.5 265.9,101.1 266.7,100.3 268.6,100.3 269.6,101.3 269.6,103.624 270.476,104.5 277.124,104.5 277.9,103.724 277.9,102.6 278.206,102.294 J12.22@279.75,102.294
CAN2_MDI._N: J13.33 T3B.4 | length 33.2
  L1 w0.1: J13.33@355.75,98.269 357.268,98.269 357.6,98.6 357.6,99.624 358.376,100.4 366.424,100.4 367.712,99.112 373.712,99.112 375.15,100.55 375.15,109.95 374.05,111.05 T3B.4@374.05,111.325
CAN2_MDI._P: J13.34 T3B.3 | length 33.2
  L1 w0.1: J13.34@359.75,98.269 358.231,98.269 357.9,98.6 357.9,99.5 358.5,100.1 366.3,100.1 367.588,98.812 373.836,98.812 375.45,100.426 375.45,109.95 376.55,111.05 T3B.3@376.55,111.325
CH0._N: C52A.2 C57A.2 R107A.1 U3.3 | length 15.2
  L1 w0.123: R107A.1@209.7,147.5 211.5,147.5 C57A.2@211.6,147.4 212.035,147.835 215.708,147.835 218.555,144.988 223.237,144.988 U3.3@223.4,144.825
CH0._P: C52A.1 C54A.1 R104A.1 U3.2 | length 15.2
  L1 w0.123: R104A.1@209.7,148.5 211.5,148.5 C54A.1@211.6,148.6 212.042,148.158 215.842,148.158 218.688,145.312 223.237,145.312 U3.2@223.4,145.475
CH2._N: C52B.2 C57B.2 R107B.1 TP72.1 U3.7 | length 14.7
  L1 w0.123: R107B.1@209.7,142.5 211.5,142.5 C57B.2@211.6,142.4 212.039,142.839 214.639,142.839 215.3,143.5 217.043,143.5 218.155,142.388 223.237,142.388 U3.7@223.4,142.225
CH2._P: C52B.1 C54B.1 R104B.1 TP71.1 U3.6 | length 14.7
  L1 w0.123: R104B.1@209.7,143.5 211.5,143.5 C54B.1@211.6,143.6 212.038,143.162 214.505,143.162 215.166,143.823 217.177,143.823 218.288,142.712 223.237,142.712 U3.6@223.4,142.875
CH3._N: C52C.2 C57C.2 R107C.1 U3.8 | length 16.5
  L1 w0.123: R107C.1@209.7,141 211.5,141 C57C.2@211.6,141.1 212.038,140.662 214.038,140.662 214.577,140.123 216.789,140.123 218.566,141.9 221.412,141.9 221.9,141.412 223.237,141.412 U3.8@223.4,141.575 ; 216.5,141.8 217.483,140.817
CH3._P: C52C.1 C54C.1 R104C.1 U3.9 | length 16.8
  L1 w0.123: R104C.1@209.7,140 211.5,140 C54C.1@211.6,139.9 212.038,140.338 213.905,140.338 214.443,139.8 216.923,139.8 218.363,141.24 ; 219.5,140.1 218.362,141.238 218.363,141.24 ; U3.9@223.4,140.925 223.237,141.088 221.766,141.088 221.278,141.577 218.7,141.577 218.363,141.24
CH4._N: C52D.2 C57D.2 R107D.1 U3.11 | length 14.8
  L1 w0.123: R107D.1@209.7,137.5 211.5,137.5 C57D.2@211.6,137.4 212.039,137.839 219.739,137.839 221.688,139.788 223.237,139.788 U3.11@223.4,139.625
CH4._P: C52D.1 C54D.1 R104D.1 U3.10 | length 14.8
  L1 w0.123: R104D.1@209.7,138.5 211.5,138.5 C54D.1@211.6,138.6 212.038,138.162 219.605,138.162 221.555,140.112 223.237,140.112 U3.10@223.4,140.275
CH5._N: C52E.2 C57E.2 R107E.1 U3.12 | length 15.3
  L1 w0.123: R107E.1@209.7,136 211.5,136 C57E.2@211.6,136.1 212.039,135.661 219.004,135.661 222.155,138.812 223.237,138.812 U3.12@223.4,138.975
CH5._P: C52E.1 C54E.1 R104E.1 U3.13 | length 15.3
  L1 w0.123: R104E.1@209.7,135 211.5,135 C54E.1@211.6,134.9 212.038,135.338 219.138,135.338 222.288,138.488 223.237,138.488 U3.13@223.4,138.325